# KiCad board backplane.kicad_pcb (continued)
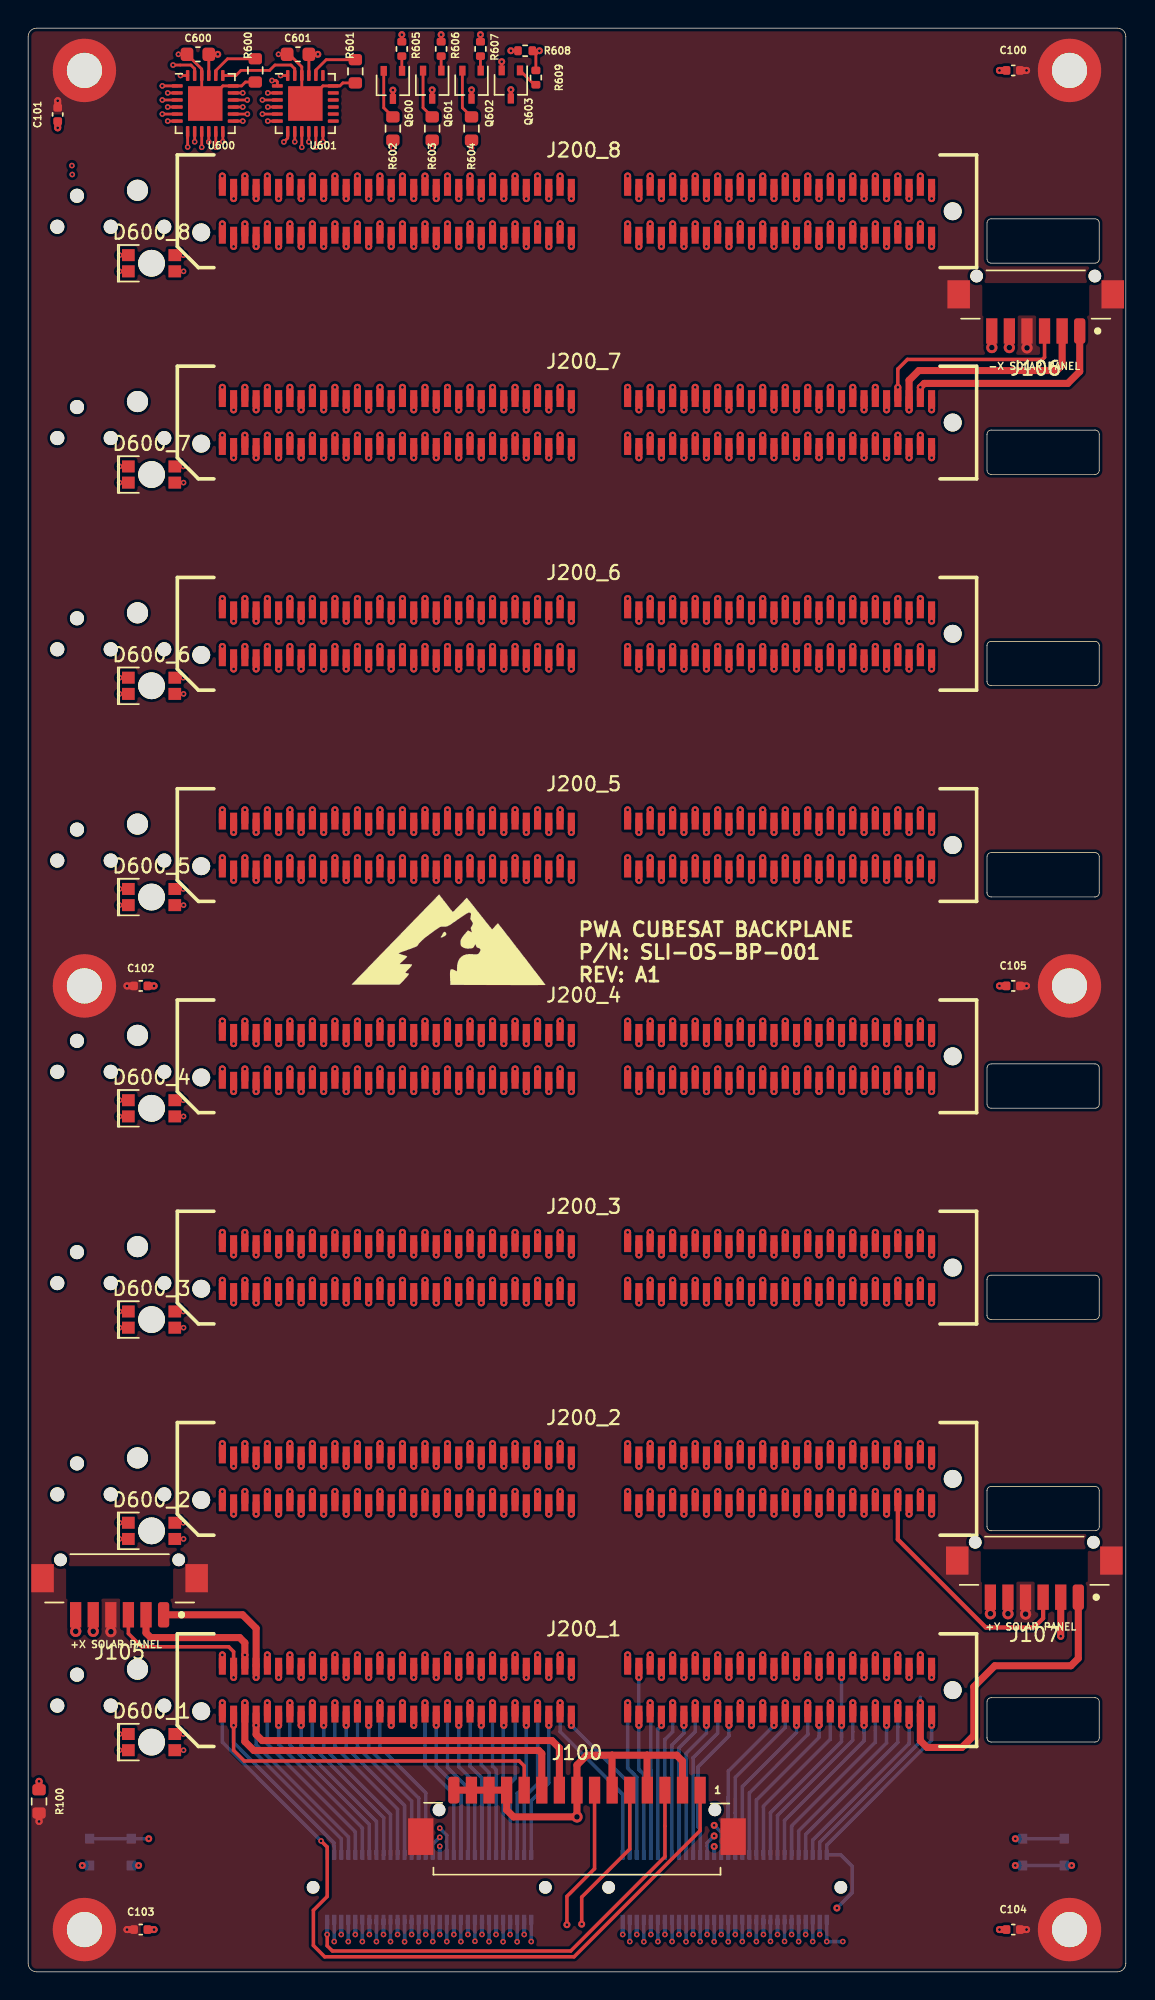
[diagram p0: board, top side]
## Routing (per net, layer and track width the routed paths; a pad name or vN(x,y) marks a point on that pad's centre or on a via; arc(x,y) is an arc through that point) (continued)
  In3.Cu w0.5: v1(55.4,127.5) 55.4,125.5 56.2,124.65 56.2,123.67 55.4,122.87 v1(55.4,112.5) 55.4,110.5 56.2,109.65 56.2,108.67 55.4,107.87 v1(55.4,97.5) 55.4,95.5 56.2,94.65 56.2,93.67 55.4,92.87 v1(55.4,82.5) 55.4,80.5 56.2,79.65 56.2,78.67 55.4,77.87 v1(55.4,67.5) 55.4,65.5 56.2,64.65 56.2,63.67 55.4,62.87 v1(55.4,52.5) 55.4,50.5 56.2,49.65 56.2,48.67 55.4,47.87 v1(55.4,37.5) 55.4,35.5 56.2,34.65 56.2,33.67 55.4,32.87 v1(55.4,22.5)
  Bottom w0.3: v2(51.25,2.65) J301.38
/H1-51: length 130.1
  Top w0.5: v1(60.2,124.1) 60.2,123.2 ; v1(60.2,19.1) 60.2,18.2 ; v1(60.2,34.1) 60.2,33.2 ; v1(60.2,49.1) 60.2,48.2 ; v1(60.2,64.1) 60.2,63.2 ; v1(60.2,79.1) 60.2,78.2 ; v1(60.2,94.1) 60.2,93.2 ; v1(60.2,109.1) 60.2,108.2
  In1.Cu w0.5: v1(60.2,124.1) 60.2,122.3 61,121.5 61,112.1 60.2,111.3 v1(60.2,109.1) 60.2,107.3 61,106.5 61,97.1 60.2,96.3 v1(60.2,94.1) 60.2,92.3 61,91.5 61,82.1 60.2,81.3 v1(60.2,79.1) 60.2,77.3 61,76.5 61,67.1 60.2,66.3 v1(60.2,64.1) 60.2,62.3 61,61.5 61,52.1 60.2,51.3 v1(60.2,49.1) 60.2,47.3 61,46.5 61,37.1 60.2,36.3 v1(60.2,34.1) 60.2,32.3 61,31.5 61,22.1 60.2,21.3 v1(60.2,19.1)
  Bottom w0.25: v1(60.2,19.1) 60.2,16.3 54.25,10.35 J301.49
/H1-52: length 140.1
  Top w0.5: v1(60.2,127.5) 60.2,126.6 ; v1(60.2,22.5) 60.2,21.6 ; v1(60.2,37.5) 60.2,36.6 ; v1(60.2,52.5) 60.2,51.6 ; v1(60.2,67.5) 60.2,66.6 ; v1(60.2,82.5) 60.2,81.6 ; v1(60.2,97.5) 60.2,96.6 ; v1(60.2,112.5) 60.2,111.6
  In3.Cu w0.25: v1(60.2,22.5) 60.2,20.16 59.4,19.36 59.4,18.66 58.6,17.86 58.6,16.14 54.25,11.79 v2(54.25,2.65)
  In3.Cu w0.5: v1(60.2,127.5) 60.2,125.5 61,124.65 61,123.67 60.2,122.87 v1(60.2,112.5) 60.2,110.5 61,109.65 61,108.67 60.2,107.87 v1(60.2,97.5) 60.2,95.5 61,94.65 61,93.67 60.2,92.87 v1(60.2,82.5) 60.2,80.5 61,79.65 61,78.67 60.2,77.87 v1(60.2,67.5) 60.2,65.5 61,64.65 61,63.67 60.2,62.87 v1(60.2,52.5) 60.2,50.5 61,49.65 61,48.67 60.2,47.87 v1(60.2,37.5) 60.2,35.5 61,34.65 61,33.67 60.2,32.87 v1(60.2,22.5)
  Bottom w0.3: v2(54.25,2.65) J301.50
/H2-1: length 128.5
  Top w0.5: v1(17.8,122.5) 17.8,123.4 ; v1(17.8,17.5) 17.8,18.4 ; v1(17.8,32.5) 17.8,33.4 ; v1(17.8,47.5) 17.8,48.4 ; v1(17.8,62.5) 17.8,63.4 ; v1(17.8,77.5) 17.8,78.4 ; v1(17.8,92.5) 17.8,93.4 ; v1(17.8,107.5) 17.8,108.4
  In4.Cu w0.5: 17.8,122.5 17.8,112.1 17,111.3 17,110.28 17.8,109.48 v1(17.8,107.5) ; 17.8,32.5 17.8,22.1 17,21.3 17,20.28 17.8,19.48 v1(17.8,17.5) ; 17.8,47.5 17.8,37.1 17,36.3 17,35.28 17.8,34.48 v1(17.8,32.5) ; 17.8,62.5 17.8,52.1 17,51.3 17,50.28 17.8,49.48 v1(17.8,47.5) ; 17.8,77.5 17.8,67.1 17,66.3 17,65.28 17.8,64.48 v1(17.8,62.5) ; 17.8,92.5 17.8,82.1 17,81.3 17,80.28 17.8,79.48 v1(17.8,77.5) ; 17.8,107.5 17.8,97.1 17,96.3 17,95.28 17.8,94.48 v1(17.8,92.5)
  Bottom w0.25: J300.11 23.75,10.21 17.8,16.16 v1(17.8,17.5)
/H2-2: length 140.2
  Top w0.5: v1(17.8,125.9) 17.8,126.8 ; v1(17.8,20.9) 17.8,21.8 ; v1(17.8,35.9) 17.8,36.8 ; v1(17.8,50.9) 17.8,51.8 ; v1(17.8,65.9) 17.8,66.8 ; v1(17.8,80.9) 17.8,81.8 ; v1(17.8,95.9) 17.8,96.8 ; v1(17.8,110.9) 17.8,111.8
  In2.Cu w0.25: v1(17.8,20.9) 17.82,20.88 17.82,18.6 17.04,17.82 17.04,15.79 23.75,9.08 v2(23.75,2.15)
  In2.Cu w0.5: 17.8,125.9 17.8,123.68 17,122.87 17,122.3 17.8,121.5 v1(17.8,110.9) ; 17.8,110.9 17.8,108.68 17,107.87 17,107.3 17.8,106.5 v1(17.8,95.9) ; 17.8,95.9 17.8,93.68 17,92.87 17,92.3 17.8,91.5 v1(17.8,80.9) ; 17.8,80.9 17.8,78.68 17,77.87 17,77.3 17.8,76.5 v1(17.8,65.9) ; v1(17.8,35.9) 17.8,46.5 17,47.3 17,47.87 17.8,48.68 17.8,50.9 ; 17.8,65.9 17.8,63.68 17,62.87 17,62.3 17.8,61.5 v1(17.8,50.9) ; 17.8,35.9 17.8,33.68 17,32.87 17,32.3 17.8,31.5 v1(17.8,20.9)
  Bottom w0.25: J300.12 v2(23.75,2.15)
/H2-3: length 128.2
  Top w0.5: v1(19.4,122.5) 19.4,123.4 ; v1(19.4,17.5) 19.4,18.4 ; v1(19.4,32.5) 19.4,33.4 ; v1(19.4,47.5) 19.4,48.4 ; v1(19.4,62.5) 19.4,63.4 ; v1(19.4,77.5) 19.4,78.4 ; v1(19.4,92.5) 19.4,93.4 ; v1(19.4,107.5) 19.4,108.4
  In4.Cu w0.5: 19.4,122.5 19.4,112.1 18.6,111.3 18.6,110.28 19.4,109.48 v1(19.4,107.5) ; v1(19.4,17.5) 19.4,19.48 18.6,20.28 18.6,21.3 19.4,22.1 19.4,32.5 ; v1(19.4,32.5) 19.4,34.48 18.6,35.28 18.6,36.3 19.4,37.1 19.4,47.5 ; v1(19.4,47.5) 19.4,49.48 18.6,50.28 18.6,51.3 19.4,52.1 19.4,62.5 ; v1(19.4,62.5) 19.4,64.48 18.6,65.28 18.6,66.3 19.4,67.1 19.4,77.5 ; v1(19.4,77.5) 19.4,79.48 18.6,80.28 18.6,81.3 19.4,82.1 19.4,92.5 ; v1(19.4,92.5) 19.4,94.48 18.6,95.28 18.6,96.3 19.4,97.1 19.4,107.5
  Bottom w0.25: v1(19.4,17.5) 19.4,16.03 24.75,10.68 J300.15
/H2-4: length 139.9
  Top w0.5: v1(19.4,125.9) 19.4,126.8 ; v1(19.4,80.9) 19.4,81.8 ; v1(19.4,95.9) 19.4,96.8 ; v1(19.4,110.9) 19.4,111.8 ; v1(19.4,20.9) 19.4,21.8 ; v1(19.4,35.9) 19.4,36.8 ; v1(19.4,50.9) 19.4,51.8 ; v1(19.4,65.9) 19.4,66.8
  In2.Cu w0.25: v1(19.4,20.9) 19.39,20.89 19.39,18.57 18.66,17.84 18.66,15.18 24.75,9.09 v2(24.75,2.15)
  In2.Cu w0.5: 19.4,125.9 19.4,123.68 18.6,122.87 18.6,122.3 19.4,121.5 v1(19.4,110.9) ; 19.4,110.9 19.4,108.68 18.6,107.87 18.6,107.3 19.4,106.5 v1(19.4,95.9) ; 19.4,95.9 19.4,93.68 18.6,92.87 18.6,92.3 19.4,91.5 v1(19.4,80.9) ; 19.4,80.9 19.4,78.68 18.6,77.87 18.6,77.3 19.4,76.5 v1(19.4,65.9) ; v1(19.4,35.9) 19.4,46.5 18.6,47.3 18.6,47.87 19.4,48.68 19.4,50.9 ; 19.4,65.9 19.4,63.68 18.6,62.87 18.6,62.3 19.4,61.5 v1(19.4,50.9) ; 19.4,35.9 19.4,33.68 18.6,32.87 18.6,32.3 19.4,31.5 v1(19.4,20.9)
  Bottom w0.25: J300.16 v2(24.75,2.15)
/H2-5: length 128
  Top w0.5: v1(21,122.5) 21,123.4 ; v1(21,17.5) 21,18.4 ; v1(21,32.5) 21,33.4 ; v1(21,47.5) 21,48.4 ; v1(21,62.5) 21,63.4 ; v1(21,77.5) 21,78.4 ; v1(21,92.5) 21,93.4 ; v1(21,107.5) 21,108.4
  In4.Cu w0.5: 21,122.5 21,112.1 20.2,111.3 20.2,110.28 21,109.48 v1(21,107.5) ; v1(21,17.5) 21,19.48 20.2,20.28 20.2,21.3 21,22.1 21,32.5 ; v1(21,32.5) 21,34.48 20.2,35.28 20.2,36.3 21,37.1 21,47.5 ; v1(21,47.5) 21,49.48 20.2,50.28 20.2,51.3 21,52.1 21,62.5 ; v1(21,62.5) 21,64.48 20.2,65.28 20.2,66.3 21,67.1 21,77.5 ; v1(21,77.5) 21,79.48 20.2,80.28 20.2,81.3 21,82.1 21,92.5 ; v1(21,92.5) 21,94.48 20.2,95.28 20.2,96.3 21,97.1 21,107.5
  Bottom w0.25: J300.19 25.75,11.18 21,15.93 v1(21,17.5)
/H2-6: length 139.7
  Top w0.5: v1(21,125.9) 21,126.8 ; v1(21,20.9) 21,21.8 ; v1(21,35.9) 21,36.8 ; v1(21,50.9) 21,51.8 ; v1(21,65.9) 21,66.8 ; v1(21,80.9) 21,81.8 ; v1(21,95.9) 21,96.8 ; v1(21,110.9) 21,111.8
  In2.Cu w0.25: v1(21,20.9) 21,18.56 20.2,17.76 20.2,14.62 25.75,9.07 v2(25.75,2.15)
  In2.Cu w0.5: 21,125.9 21,123.68 20.2,122.87 20.2,122.3 21,121.5 v1(21,110.9) ; 21,110.9 21,108.68 20.2,107.87 20.2,107.3 21,106.5 v1(21,95.9) ; 21,95.9 21,93.68 20.2,92.87 20.2,92.3 21,91.5 v1(21,80.9) ; 21,80.9 21,78.68 20.2,77.87 20.2,77.3 21,76.5 v1(21,65.9) ; v1(21,35.9) 21,46.5 20.2,47.3 20.2,47.87 21,48.68 21,50.9 ; 21,65.9 21,63.68 20.2,62.87 20.2,62.3 21,61.5 v1(21,50.9) ; 21,35.9 21,33.68 20.2,32.87 20.2,32.3 21,31.5 v1(21,20.9)
  Bottom w0.25: J300.20 v2(25.75,2.15)
/H2-7: length 127.7
  Top w0.5: v1(22.6,122.5) 22.6,123.4 ; v1(22.6,17.5) 22.6,18.4 ; v1(22.6,32.5) 22.6,33.4 ; v1(22.6,47.5) 22.6,48.4 ; v1(22.6,62.5) 22.6,63.4 ; v1(22.6,77.5) 22.6,78.4 ; v1(22.6,92.5) 22.6,93.4 ; v1(22.6,107.5) 22.6,108.4
  In4.Cu w0.5: 22.6,122.5 22.6,112.1 21.8,111.3 21.8,110.28 22.6,109.48 v1(22.6,107.5) ; 22.6,32.5 22.6,22.1 21.8,21.3 21.8,20.28 22.6,19.48 v1(22.6,17.5) ; 22.6,47.5 22.6,37.1 21.8,36.3 21.8,35.28 22.6,34.48 v1(22.6,32.5) ; 22.6,62.5 22.6,52.1 21.8,51.3 21.8,50.28 22.6,49.48 v1(22.6,47.5) ; 22.6,77.5 22.6,67.1 21.8,66.3 21.8,65.28 22.6,64.48 v1(22.6,62.5) ; 22.6,92.5 22.6,82.1 21.8,81.3 21.8,80.28 22.6,79.48 v1(22.6,77.5) ; 22.6,107.5 22.6,97.1 21.8,96.3 21.8,95.28 22.6,94.48 v1(22.6,92.5)
  Bottom w0.25: v1(22.6,17.5) 22.6,15.96 26.75,11.81 J300.23
/H2-8: length 139.5
  Top w0.5: v1(22.6,125.9) 22.6,126.8 ; v1(22.6,20.9) 22.6,21.8 ; v1(22.6,35.9) 22.6,36.8 ; v1(22.6,50.9) 22.6,51.8 ; v1(22.6,65.9) 22.6,66.8 ; v1(22.6,80.9) 22.6,81.8 ; v1(22.6,95.9) 22.6,96.8 ; v1(22.6,110.9) 22.6,111.8
  In2.Cu w0.25: v1(22.6,20.9) 22.57,20.87 22.57,18.62 21.76,17.81 21.76,14.12 26.75,9.13 v2(26.75,2.14)
  In2.Cu w0.5: 22.6,125.9 22.6,123.68 21.8,122.87 21.8,122.3 22.6,121.5 v1(22.6,110.9) ; 22.6,110.9 22.6,108.68 21.8,107.87 21.8,107.3 22.6,106.5 v1(22.6,95.9) ; 22.6,95.9 22.6,93.68 21.8,92.87 21.8,92.3 22.6,91.5 v1(22.6,80.9) ; 22.6,80.9 22.6,78.68 21.8,77.87 21.8,77.3 22.6,76.5 v1(22.6,65.9) ; v1(22.6,35.9) 22.6,46.5 21.8,47.3 21.8,47.87 22.6,48.68 22.6,50.9 ; 22.6,65.9 22.6,63.68 21.8,62.87 21.8,62.3 22.6,61.5 v1(22.6,50.9) ; 22.6,35.9 22.6,33.68 21.8,32.87 21.8,32.3 22.6,31.5 v1(22.6,20.9)
  Bottom w0.25: 26.75,3.69 v2(26.75,2.14)
/H2-9: length 127.5
  Top w0.5: v1(24.2,122.5) 24.2,123.4 ; v1(24.2,17.5) 24.2,18.4 ; v1(24.2,32.5) 24.2,33.4 ; v1(24.2,47.5) 24.2,48.4 ; v1(24.2,62.5) 24.2,63.4 ; v1(24.2,77.5) 24.2,78.4 ; v1(24.2,92.5) 24.2,93.4 ; v1(24.2,107.5) 24.2,108.4
  In4.Cu w0.5: 24.2,122.5 24.2,112.1 23.4,111.3 23.4,110.28 24.2,109.48 v1(24.2,107.5) ; v1(24.2,17.5) 24.2,19.48 23.4,20.28 23.4,21.3 24.2,22.1 24.2,32.5 ; v1(24.2,32.5) 24.2,34.48 23.4,35.28 23.4,36.3 24.2,37.1 24.2,47.5 ; v1(24.2,47.5) 24.2,49.48 23.4,50.28 23.4,51.3 24.2,52.1 24.2,62.5 ; v1(24.2,62.5) 24.2,64.48 23.4,65.28 23.4,66.3 24.2,67.1 24.2,77.5 ; v1(24.2,77.5) 24.2,79.48 23.4,80.28 23.4,81.3 24.2,82.1 24.2,92.5 ; v1(24.2,92.5) 24.2,94.48 23.4,95.28 23.4,96.3 24.2,97.1 24.2,107.5
  Bottom w0.25: J300.27 27.76,8.31 27.76,12.33 24.2,15.89 v1(24.2,17.5)
/H2-10: length 139.2
  Top w0.5: v1(24.2,125.9) 24.2,126.8 ; v1(24.2,20.9) 24.2,21.8 ; v1(24.2,35.9) 24.2,36.8 ; v1(24.2,50.9) 24.2,51.8 ; v1(24.2,65.9) 24.2,66.8 ; v1(24.2,80.9) 24.2,81.8 ; v1(24.2,95.9) 24.2,96.8 ; v1(24.2,110.9) 24.2,111.8
  In2.Cu w0.25: v2(27.75,2.15) 27.75,9.23 23.42,13.56 23.42,17.85 24.2,18.63 v1(24.2,20.9)
  In2.Cu w0.5: 24.2,125.9 24.2,123.68 23.4,122.87 23.4,122.3 24.2,121.5 v1(24.2,110.9) ; 24.2,110.9 24.2,108.68 23.4,107.87 23.4,107.3 24.2,106.5 v1(24.2,95.9) ; 24.2,95.9 24.2,93.68 23.4,92.87 23.4,92.3 24.2,91.5 v1(24.2,80.9) ; 24.2,80.9 24.2,78.68 23.4,77.87 23.4,77.3 24.2,76.5 v1(24.2,65.9) ; v1(24.2,35.9) 24.2,46.5 23.4,47.3 23.4,47.87 24.2,48.68 24.2,50.9 ; 24.2,65.9 24.2,63.68 23.4,62.87 23.4,62.3 24.2,61.5 v1(24.2,50.9) ; 24.2,35.9 24.2,33.68 23.4,32.87 23.4,32.3 24.2,31.5 v1(24.2,20.9)
  Bottom w0.25: J300.28 v2(27.75,2.15)
/H2-11: length 128
  Top w0.5: v1(25.8,122.5) 25.8,123.4 ; v1(25.8,17.5) 25.8,18.4 ; v1(25.8,32.5) 25.8,33.4 ; v1(25.8,47.5) 25.8,48.4 ; v1(25.8,62.5) 25.8,63.4 ; v1(25.8,77.5) 25.8,78.4 ; v1(25.8,92.5) 25.8,93.4 ; v1(25.8,107.5) 25.8,108.4
  In3.Cu w0.25: v1(25.8,17.5) 25.8,13 v2(29.25,9.55)
  In4.Cu w0.5: 25.8,122.5 25.8,112.1 25,111.3 25,110.28 25.8,109.48 v1(25.8,107.5) ; 25.8,32.5 25.8,22.1 25,21.3 25,20.28 25.8,19.48 v1(25.8,17.5) ; 25.8,47.5 25.8,37.1 25,36.3 25,35.28 25.8,34.48 v1(25.8,32.5) ; 25.8,62.5 25.8,52.1 25,51.3 25,50.28 25.8,49.48 v1(25.8,47.5) ; 25.8,77.5 25.8,67.1 25,66.3 25,65.28 25.8,64.48 v1(25.8,62.5) ; 25.8,92.5 25.8,82.1 25,81.3 25,80.28 25.8,79.48 v1(25.8,77.5) ; 25.8,107.5 25.8,97.1 25,96.3 25,95.28 25.8,94.48 v1(25.8,92.5)
  Bottom w0.25: v2(29.25,9.55) 28.75,9.05 J300.31 28.75,8.69
/H2-12: length 139
  Top w0.5: v1(25.8,20.9) 25.8,21.8 ; v1(25.8,35.9) 25.8,36.8 ; v1(25.8,50.9) 25.8,51.8 ; v1(25.8,65.9) 25.8,66.8 ; v1(25.8,80.9) 25.8,81.8 ; v1(25.8,95.9) 25.8,96.8 ; v1(25.8,110.9) 25.8,111.8 ; v1(25.8,125.9) 25.8,126.8
  In2.Cu w0.25: v2(28.75,2.15) 28.75,9.59 25.04,13.3 25.04,17.81 25.8,18.57 v1(25.8,20.9)
  In2.Cu w0.5: 25.8,125.9 25.8,123.68 25,122.87 25,122.3 25.8,121.5 v1(25.8,110.9) ; 25.8,110.9 25.8,108.68 25,107.87 25,107.3 25.8,106.5 v1(25.8,95.9) ; 25.8,95.9 25.8,93.68 25,92.87 25,92.3 25.8,91.5 v1(25.8,80.9) ; 25.8,80.9 25.8,78.68 25,77.87 25,77.3 25.8,76.5 v1(25.8,65.9) ; v1(25.8,35.9) 25.8,46.5 25,47.3 25,47.87 25.8,48.68 25.8,50.9 ; 25.8,65.9 25.8,63.68 25,62.87 25,62.3 25.8,61.5 v1(25.8,50.9) ; 25.8,35.9 25.8,33.68 25,32.87 25,32.3 25.8,31.5 v1(25.8,20.9)
  Bottom w0.25: J300.32 v2(28.75,2.15)
/H2-13: length 130.5
  Top w0.5: v1(27.4,122.5) 27.4,123.4 ; v1(27.4,17.5) 27.4,18.4 ; v1(27.4,32.5) 27.4,33.4 ; v1(27.4,47.5) 27.4,48.4 ; v1(27.4,62.5) 27.4,63.4 ; v1(27.4,77.5) 27.4,78.4 ; v1(27.4,92.5) 27.4,93.4 ; v1(27.4,107.5) 27.4,108.4
  In3.Cu w0.25: 27.41,17.49 v1(27.4,17.5)
  In4.Cu w0.25: v1(27.4,17.5) 27.95,16.95 27.95,11.5 v2(29.25,10.2)
  In4.Cu w0.3: 27.4,17.5 27.4,19.48 26.6,20.28
  In4.Cu w0.5: 27.4,122.5 27.4,112.1 26.6,111.3 26.6,110.28 27.4,109.48 v1(27.4,107.5) ; v1(27.4,17.5) 27.4,19.48 26.6,20.28 26.6,21.3 27.4,22.1 27.4,32.5 ; v1(27.4,32.5) 27.4,34.48 26.6,35.28 26.6,36.3 27.4,37.1 27.4,47.5 ; v1(27.4,47.5) 27.4,49.48 26.6,50.28 26.6,51.3 27.4,52.1 27.4,62.5 ; v1(27.4,62.5) 27.4,64.48 26.6,65.28 26.6,66.3 27.4,67.1 27.4,77.5 ; v1(27.4,77.5) 27.4,79.48 26.6,80.28 26.6,81.3 27.4,82.1 27.4,92.5 ; v1(27.4,92.5) 27.4,94.48 26.6,95.28 26.6,96.3 27.4,97.1 27.4,107.5
  Bottom w0.25: 29.74,8.65 29.75,8.64 J300.35 29.75,9.7 v2(29.25,10.2)
/H2-14: length 139.3
  Top w0.5: v1(27.4,125.9) 27.4,126.8 ; v1(27.4,20.9) 27.4,21.8 ; v1(27.4,35.9) 27.4,36.8 ; v1(27.4,50.9) 27.4,51.8 ; v1(27.4,65.9) 27.4,66.8 ; v1(27.4,80.9) 27.4,81.8 ; v1(27.4,95.9) 27.4,96.8 ; v1(27.4,110.9) 27.4,111.8
  In2.Cu w0.25: v2(29.75,2.15) 29.75,8.39 30.31,8.95 30.31,12.2 26.55,15.96 26.55,17.87 27.4,18.72 v1(27.4,20.9)
  In2.Cu w0.5: 27.4,125.9 27.4,123.68 26.6,122.87 26.6,122.3 27.4,121.5 v1(27.4,110.9) ; 27.4,110.9 27.4,108.68 26.6,107.87 26.6,107.3 27.4,106.5 v1(27.4,95.9) ; 27.4,95.9 27.4,93.68 26.6,92.87 26.6,92.3 27.4,91.5 v1(27.4,80.9) ; 27.4,80.9 27.4,78.68 26.6,77.87 26.6,77.3 27.4,76.5 v1(27.4,65.9) ; v1(27.4,35.9) 27.4,46.5 26.6,47.3 26.6,47.87 27.4,48.68 27.4,50.9 ; 27.4,65.9 27.4,63.68 26.6,62.87 26.6,62.3 27.4,61.5 v1(27.4,50.9) ; 27.4,35.9 27.4,33.68 26.6,32.87 26.6,32.3 27.4,31.5 v1(27.4,20.9)
  Bottom w0.25: J300.36 v2(29.75,2.15)
/H2-15: length 126.8
  Top w0.5: v1(29,122.5) 29,123.4 ; v1(29,17.5) 29,18.4 ; v1(29,32.5) 29,33.4 ; v1(29,47.5) 29,48.4 ; v1(29,62.5) 29,63.4 ; v1(29,77.5) 29,78.4 ; v1(29,92.5) 29,93.4 ; v1(29,107.5) 29,108.4
  In4.Cu w0.5: 29,122.5 29,112.1 28.2,111.3 28.2,110.28 29,109.48 v1(29,107.5) ; 29,32.5 29,22.1 28.2,21.3 28.2,20.28 29,19.48 v1(29,17.5) ; 29,47.5 29,37.1 28.2,36.3 28.2,35.28 29,34.48 v1(29,32.5) ; 29,62.5 29,52.1 28.2,51.3 28.2,50.28 29,49.48 v1(29,47.5) ; 29,77.5 29,67.1 28.2,66.3 28.2,65.28 29,64.48 v1(29,62.5) ; 29,92.5 29,82.1 28.2,81.3 28.2,80.28 29,79.48 v1(29,77.5) ; 29,107.5 29,97.1 28.2,96.3 28.2,95.28 29,94.48 v1(29,92.5)
  Bottom w0.25: J300.39 30.76,8.31 30.76,12.84 29,14.6 v1(29,17.5)
/H2-16: length 138.5
  Top w0.5: v1(29,125.9) 29,126.8 ; v1(29,20.9) 29,21.8 ; v1(29,35.9) 29,36.8 ; v1(29,50.9) 29,51.8 ; v1(29,65.9) 29,66.8 ; v1(29,80.9) 29,81.8 ; v1(29,95.9) 29,96.8 ; v1(29,110.9) 29,111.8
  In2.Cu w0.25: v2(30.75,2.15) 30.75,12.77 28.2,15.32 28.2,17.91 29,18.71 v1(29,20.9)
  In2.Cu w0.5: 29,125.9 29,123.68 28.2,122.87 28.2,122.3 29,121.5 v1(29,110.9) ; 29,110.9 29,108.68 28.2,107.87 28.2,107.3 29,106.5 v1(29,95.9) ; 29,95.9 29,93.68 28.2,92.87 28.2,92.3 29,91.5 v1(29,80.9) ; 29,80.9 29,78.68 28.2,77.87 28.2,77.3 29,76.5 v1(29,65.9) ; v1(29,35.9) 29,46.5 28.2,47.3 28.2,47.87 29,48.68 29,50.9 ; 29,65.9 29,63.68 28.2,62.87 28.2,62.3 29,61.5 v1(29,50.9) ; 29,35.9 29,33.68 28.2,32.87 28.2,32.3 29,31.5 v1(29,20.9)
  Bottom w0.25: J300.40 v2(30.75,2.15)
/H2-17: length 126.5
  Top w0.5: v1(30.6,122.5) 30.6,123.4 ; v1(30.6,17.5) 30.6,18.4 ; v1(30.6,32.5) 30.6,33.4 ; v1(30.6,47.5) 30.6,48.4 ; v1(30.6,62.5) 30.6,63.4 ; v1(30.6,77.5) 30.6,78.4 ; v1(30.6,92.5) 30.6,93.4 ; v1(30.6,107.5) 30.6,108.4
  In4.Cu w0.5: 30.6,122.5 30.6,112.1 29.8,111.3 29.8,110.28 30.6,109.48 v1(30.6,107.5) ; 30.6,32.5 30.6,22.1 29.8,21.3 29.8,20.28 30.6,19.48 v1(30.6,17.5) ; 30.6,47.5 30.6,37.1 29.8,36.3 29.8,35.28 30.6,34.48 v1(30.6,32.5) ; 30.6,62.5 30.6,52.1 29.8,51.3 29.8,50.28 30.6,49.48 v1(30.6,47.5) ; 30.6,77.5 30.6,67.1 29.8,66.3 29.8,65.28 30.6,64.48 v1(30.6,62.5) ; 30.6,92.5 30.6,82.1 29.8,81.3 29.8,80.28 30.6,79.48 v1(30.6,77.5) ; 30.6,107.5 30.6,97.1 29.8,96.3 29.8,95.28 30.6,94.48 v1(30.6,92.5)
  Bottom w0.25: v1(30.6,17.5) 30.6,14.58 31.74,13.44 31.74,8.31 J300.43
/H2-18: length 138.2
  Top w0.5: v1(30.6,125.9) 30.6,126.8 ; v1(30.6,20.9) 30.6,21.8 ; v1(30.6,35.9) 30.6,36.8 ; v1(30.6,50.9) 30.6,51.8 ; v1(30.6,65.9) 30.6,66.8 ; v1(30.6,80.9) 30.6,81.8 ; v1(30.6,95.9) 30.6,96.8 ; v1(30.6,110.9) 30.6,111.8
  In2.Cu w0.25: v2(31.75,2.17) 31.75,12.78 29.8,14.73 29.8,17.99 30.56,18.75 30.56,20.86 v1(30.6,20.9)
  In2.Cu w0.5: 30.6,125.9 30.6,123.68 29.8,122.87 29.8,122.3 30.6,121.5 v1(30.6,110.9) ; 30.6,110.9 30.6,108.68 29.8,107.87 29.8,107.3 30.6,106.5 v1(30.6,95.9) ; 30.6,95.9 30.6,93.68 29.8,92.87 29.8,92.3 30.6,91.5 v1(30.6,80.9) ; 30.6,80.9 30.6,78.68 29.8,77.87 29.8,77.3 30.6,76.5 v1(30.6,65.9) ; v1(30.6,35.9) 30.6,46.5 29.8,47.3 29.8,47.87 30.6,48.68 30.6,50.9 ; 30.6,65.9 30.6,63.68 29.8,62.87 29.8,62.3 30.6,61.5 v1(30.6,50.9) ; 30.6,35.9 30.6,33.68 29.8,32.87 29.8,32.3 30.6,31.5 v1(30.6,20.9)
  Bottom w0.25: J300.44 v2(31.75,2.17) 31.75,2.15
/H2-19: length 126.2
  Top w0.5: v1(32.2,122.5) 32.2,123.4 ; v1(32.2,17.5) 32.2,18.4 ; v1(32.2,32.5) 32.2,33.4 ; v1(32.2,47.5) 32.2,48.4 ; v1(32.2,62.5) 32.2,63.4 ; v1(32.2,77.5) 32.2,78.4 ; v1(32.2,92.5) 32.2,93.4 ; v1(32.2,107.5) 32.2,108.4
  In4.Cu w0.5: 32.2,122.5 32.2,112.1 31.4,111.3 31.4,110.28 32.2,109.48 v1(32.2,107.5) ; 32.2,32.5 32.2,22.1 31.4,21.3 31.4,20.28 32.2,19.48 v1(32.2,17.5) ; 32.2,47.5 32.2,37.1 31.4,36.3 31.4,35.28 32.2,34.48 v1(32.2,32.5) ; 32.2,62.5 32.2,52.1 31.4,51.3 31.4,50.28 32.2,49.48 v1(32.2,47.5) ; 32.2,77.5 32.2,67.1 31.4,66.3 31.4,65.28 32.2,64.48 v1(32.2,62.5) ; 32.2,92.5 32.2,82.1 31.4,81.3 31.4,80.28 32.2,79.48 v1(32.2,77.5) ; 32.2,107.5 32.2,97.1 31.4,96.3 31.4,95.28 32.2,94.48 v1(32.2,92.5)
  Bottom w0.25: J300.47 32.75,14.15 32.2,14.7 v1(32.2,17.5)
/H2-20: length 138
  Top w0.5: v1(32.2,125.9) 32.2,126.8 ; v1(32.2,20.9) 32.2,21.8 ; v1(32.2,35.9) 32.2,36.8 ; v1(32.2,50.9) 32.2,51.8 ; v1(32.2,65.9) 32.2,66.8 ; v1(32.2,80.9) 32.2,81.8 ; v1(32.2,95.9) 32.2,96.8 ; v1(32.2,110.9) 32.2,111.8
  In2.Cu w0.25: v2(32.75,2.15) 32.75,12.82 31.4,14.17 31.4,18.16 32.2,18.96 v1(32.2,20.9)
  In2.Cu w0.5: 32.2,125.9 32.2,123.68 31.4,122.87 31.4,122.3 32.2,121.5 v1(32.2,110.9) ; 32.2,110.9 32.2,108.68 31.4,107.87 31.4,107.3 32.2,106.5 v1(32.2,95.9) ; 32.2,95.9 32.2,93.68 31.4,92.87 31.4,92.3 32.2,91.5 v1(32.2,80.9) ; 32.2,80.9 32.2,78.68 31.4,77.87 31.4,77.3 32.2,76.5 v1(32.2,65.9) ; v1(32.2,35.9) 32.2,46.5 31.4,47.3 31.4,47.87 32.2,48.68 32.2,50.9 ; 32.2,65.9 32.2,63.68 31.4,62.87 31.4,62.3 32.2,61.5 v1(32.2,50.9) ; 32.2,35.9 32.2,33.68 31.4,32.87 31.4,32.3 32.2,31.5 v1(32.2,20.9)
  Bottom w0.25: J300.48 v2(32.75,2.15)
/H2-21: length 126
  Top w0.5: v1(33.8,122.5) 33.8,123.4 ; v1(33.8,17.5) 33.8,18.4 ; v1(33.8,32.5) 33.8,33.4 ; v1(33.8,47.5) 33.8,48.4 ; v1(33.8,62.5) 33.8,63.4 ; v1(33.8,77.5) 33.8,78.4 ; v1(33.8,92.5) 33.8,93.4 ; v1(33.8,107.5) 33.8,108.4
  In4.Cu w0.5: 33.8,122.5 33.8,112.1 33,111.3 33,110.28 33.8,109.48 v1(33.8,107.5) ; 33.8,32.5 33.8,22.1 33,21.3 33,20.28 33.8,19.48 v1(33.8,17.5) ; 33.8,47.5 33.8,37.1 33,36.3 33,35.28 33.8,34.48 v1(33.8,32.5) ; 33.8,62.5 33.8,52.1 33,51.3 33,50.28 33.8,49.48 v1(33.8,47.5) ; 33.8,77.5 33.8,67.1 33,66.3 33,65.28 33.8,64.48 v1(33.8,62.5) ; 33.8,92.5 33.8,82.1 33,81.3 33,80.28 33.8,79.48 v1(33.8,77.5) ; 33.8,107.5 33.8,97.1 33,96.3 33,95.28 33.8,94.48 v1(33.8,92.5)
  Bottom w0.25: J300.51 33.75,17.45 v1(33.8,17.5)
/H2-22: length 137.8
  Top w0.5: v1(33.8,125.9) 33.8,126.8 ; v1(33.8,20.9) 33.8,21.8 ; v1(33.8,35.9) 33.8,36.8 ; v1(33.8,50.9) 33.8,51.8 ; v1(33.8,65.9) 33.8,66.8 ; v1(33.8,80.9) 33.8,81.8 ; v1(33.8,95.9) 33.8,96.8 ; v1(33.8,110.9) 33.8,111.8
  In2.Cu w0.25: v1(33.8,20.9) 33.8,18.96 32.99,18.15 32.99,13.68 33.75,12.92 v2(33.75,2.14)
  In2.Cu w0.5: 33.8,125.9 33.8,123.68 33,122.87 33,122.3 33.8,121.5 v1(33.8,110.9) ; 33.8,110.9 33.8,108.68 33,107.87 33,107.3 33.8,106.5 v1(33.8,95.9) ; 33.8,95.9 33.8,93.68 33,92.87 33,92.3 33.8,91.5 v1(33.8,80.9) ; 33.8,80.9 33.8,78.68 33,77.87 33,77.3 33.8,76.5 v1(33.8,65.9) ; v1(33.8,35.9) 33.8,46.5 33,47.3 33,47.87 33.8,48.68 33.8,50.9 ; 33.8,65.9 33.8,63.68 33,62.87 33,62.3 33.8,61.5 v1(33.8,50.9) ; 33.8,35.9 33.8,33.68 33,32.87 33,32.3 33.8,31.5 v1(33.8,20.9)
  Bottom w0.25: 33.75,3.69 v2(33.75,2.14)
/H2-23: length 126.3
  Top w0.5: 35.4,122.5 35.4,123.4 ; 35.4,17.5 35.4,18.4 ; 35.4,32.5 35.4,33.4 ; 35.4,47.5 35.4,48.4 ; 35.4,62.5 35.4,63.4 ; 35.4,77.5 35.4,78.4 ; 35.4,92.5 35.4,93.4 ; 35.4,107.5 35.4,108.4
  In4.Cu w0.5: v1(35.4,122.5) 35.4,112.1 34.6,111.3 34.6,110.28 35.4,109.48 35.4,107.5 ; v1(35.4,32.5) 35.4,22.1 34.6,21.3 34.6,20.28 35.4,19.48 35.4,17.5 ; v1(35.4,47.5) 35.4,37.1 34.6,36.3 34.6,35.28 35.4,34.48 35.4,32.5 ; v1(35.4,62.5) 35.4,52.1 34.6,51.3 34.6,50.28 35.4,49.48 35.4,47.5 ; v1(35.4,77.5) 35.4,67.1 34.6,66.3 34.6,65.28 35.4,64.48 35.4,62.5 ; v1(35.4,92.5) 35.4,82.1 34.6,81.3 34.6,80.28 35.4,79.48 35.4,77.5 ; v1(35.4,107.5) 35.4,97.1 34.6,96.3 34.6,95.28 35.4,94.48 35.4,92.5
  Bottom w0.25: J300.55 34.75,12.66 35.4,13.31 35.4,17.5
  vias: v1(35.4,17.5)
/H2-24: length 138.5
  Top w0.5: v1(35.4,125.9) 35.4,126.8 ; v1(35.4,20.9) 35.4,21.8 ; v1(35.4,35.9) 35.4,36.8 ; v1(35.4,50.9) 35.4,51.8 ; v1(35.4,65.9) 35.4,66.8 ; v1(35.4,80.9) 35.4,81.8 ; v1(35.4,95.9) 35.4,96.8 ; v1(35.4,110.9) 35.4,111.8
  In2.Cu w0.25: 35.27,18.83 35.4,18.95 v1(35.4,20.9) ; 35.27,18.83 34.6,18.15 ; 35.27,18.83 34.57,18.12 34.57,13.17 34.75,12.99 v2(34.75,2.14)
  In2.Cu w0.5: 35.4,125.9 35.4,123.68 34.6,122.87 34.6,122.3 35.4,121.5 v1(35.4,110.9) ; 35.4,110.9 35.4,108.68 34.6,107.87 34.6,107.3 35.4,106.5 v1(35.4,95.9) ; 35.4,95.9 35.4,93.68 34.6,92.87 34.6,92.3 35.4,91.5 v1(35.4,80.9) ; 35.4,80.9 35.4,78.68 34.6,77.87 34.6,77.3 35.4,76.5 v1(35.4,65.9) ; v1(35.4,35.9) 35.4,46.5 34.6,47.3 34.6,47.87 35.4,48.68 35.4,50.9 ; 35.4,65.9 35.4,63.68 34.6,62.87 34.6,62.3 35.4,61.5 v1(35.4,50.9) ; 35.4,35.9 35.4,33.68 34.6,32.87 34.6,32.3 35.4,31.5 v1(35.4,20.9)
  Bottom w0.25: 34.75,3.69 v2(34.75,2.14)
/H2-25: length 126.5
  Top w0.5: 37,122.5 37,123.4 ; 37,17.5 37,18.4 ; 37,32.5 37,33.4 ; 37,47.5 37,48.4 ; 37,62.5 37,63.4 ; 37,77.5 37,78.4 ; 37,92.5 37,93.4 ; 37,107.5 37,108.4
  In4.Cu w0.5: v1(37,122.5) 37,112.1 36.2,111.3 36.2,110.28 37,109.48 37,107.5 ; 37,17.5 37,19.48 36.2,20.28 36.2,21.3 37,22.1 v1(37,32.5) ; 37,32.5 37,34.48 36.2,35.28 36.2,36.3 37,37.1 v1(37,47.5) ; 37,47.5 37,49.48 36.2,50.28 36.2,51.3 37,52.1 v1(37,62.5) ; 37,62.5 37,64.48 36.2,65.28 36.2,66.3 37,67.1 v1(37,77.5) ; 37,77.5 37,79.48 36.2,80.28 36.2,81.3 37,82.1 v1(37,92.5) ; 37,92.5 37,94.48 36.2,95.28 36.2,96.3 37,97.1 v1(37,107.5)
  Bottom w0.25: 37,17.5 37,13.41 35.75,12.16 J300.59
  vias: v1(37,17.5)
/H2-26: length 137.6
  Top w0.5: 37,125.9 37,126.8 ; 37,20.9 37,21.8 ; 37,35.9 37,36.8 ; 37,50.9 37,51.8 ; 37,65.9 37,66.8 ; 37,80.9 37,81.8 ; 37,95.9 37,96.8 ; 37,110.9 37,111.8
  In2.Cu w0.25: 37,20.9 37,19.05 36.16,18.21 36.16,13.37 35.75,12.96 v2(35.75,2.15)
  In2.Cu w0.5: v1(37,20.9) 37,31.5 36.2,32.3 36.2,32.87 37,33.68 v1(37,35.9) ; v1(37,125.9) 37,123.68 36.2,122.87 36.2,122.3 37,121.5 37,110.9 ; v1(37,110.9) 37,108.68 36.2,107.87 36.2,107.3 37,106.5 37,95.9 ; v1(37,95.9) 37,93.68 36.2,92.87 36.2,92.3 37,91.5 37,80.9 ; v1(37,80.9) 37,78.68 36.2,77.87 36.2,77.3 37,76.5 37,65.9 ; 37,35.9 37,46.5 36.2,47.3 36.2,47.87 37,48.68 v1(37,50.9) ; v1(37,65.9) 37,63.68 36.2,62.87 36.2,62.3 37,61.5 37,50.9
  Bottom w0.25: J300.60 v2(35.75,2.15)
/H2-27: length 128.1
  Top w0.5: J200_1.63 v1(38.6,17.5) ; J200_2.63 v1(38.6,32.5) ; J200_3.63 v1(38.6,47.5) ; J200_4.63 v1(38.6,62.5) ; J200_5.63 v1(38.6,77.5) ; J200_6.63 v1(38.6,92.5) ; J200_7.63 v1(38.6,107.5) ; J200_8.63 v1(38.6,122.5)
  In4.Cu w0.5: v1(38.6,122.5) 38.6,112.1 37.8,111.3 37.8,110.28 38.6,109.48 38.6,107.5 ; 38.6,17.5 38.6,19.48 37.8,20.28 37.8,21.3 38.6,22.1 v1(38.6,32.5) ; 38.6,32.5 38.6,34.48 37.8,35.28 37.8,36.3 38.6,37.1 v1(38.6,47.5) ; 38.6,47.5 38.6,49.48 37.8,50.28 37.8,51.3 38.6,52.1 v1(38.6,62.5) ; 38.6,62.5 38.6,64.48 37.8,65.28 37.8,66.3 38.6,67.1 v1(38.6,77.5) ; 38.6,77.5 38.6,79.48 37.8,80.28 37.8,81.3 38.6,82.1 v1(38.6,92.5) ; 38.6,92.5 38.6,94.48 37.8,95.28 37.8,96.3 38.6,97.1 v1(38.6,107.5)
  Bottom w0.25: 42.62,13.48 41.8,14.3 ; 41.8,14.3 38.6,17.5 ; 41.8,14.3 42.75,13.35 J301.3
/H2-28: length 139.8
  Top w0.5: J200_1.64 v1(38.6,20.9) ; J200_2.64 v1(38.6,35.9) ; J200_3.64 v1(38.6,50.9) ; J200_4.64 v1(38.6,65.9) ; J200_5.64 v1(38.6,80.9) ; J200_6.64 v1(38.6,95.9) ; J200_7.64 v1(38.6,110.9) ; J200_8.64 v1(38.6,125.9)
  In2.Cu w0.25: 38.6,20.9 38.6,18.65 42.75,14.5 42.75,12.7 ; 42.75,12.7 42.75,14.48 ; 42.75,12.7 v2(42.75,2.15)
  In2.Cu w0.5: v1(38.6,125.9) 38.6,123.68 37.8,122.87 37.8,122.3 38.6,121.5 38.6,110.9 ; v1(38.6,110.9) 38.6,108.68 37.8,107.87 37.8,107.3 38.6,106.5 38.6,95.9 ; v1(38.6,95.9) 38.6,93.68 37.8,92.87 37.8,92.3 38.6,91.5 38.6,80.9 ; v1(38.6,80.9) 38.6,78.68 37.8,77.87 37.8,77.3 38.6,76.5 38.6,65.9 ; 38.6,35.9 38.6,46.5 37.8,47.3 37.8,47.87 38.6,48.68 v1(38.6,50.9) ; v1(38.6,65.9) 38.6,63.68 37.8,62.87 37.8,62.3 38.6,61.5 38.6,50.9 ; v1(38.6,35.9) 38.6,33.68 37.8,32.87 37.8,32.3 38.6,31.5 38.6,20.9
  Bottom w0.25: J301.4 v2(42.75,2.15)
